# Altium PCB Proto_Lolek.PcbDoc (part 1 of 2)
Units mm, origin at the board's own origin, x right, y up, seen from the top; angles counter-clockwise.
Board outline 80 x 80 mm, 4 copper layers (Top Layer, Int1 (GND), Int2 (PWR), Bottom Layer), stack 1.57 mm thick; 128 components, 73 nets, 456 pads, 404 vias.
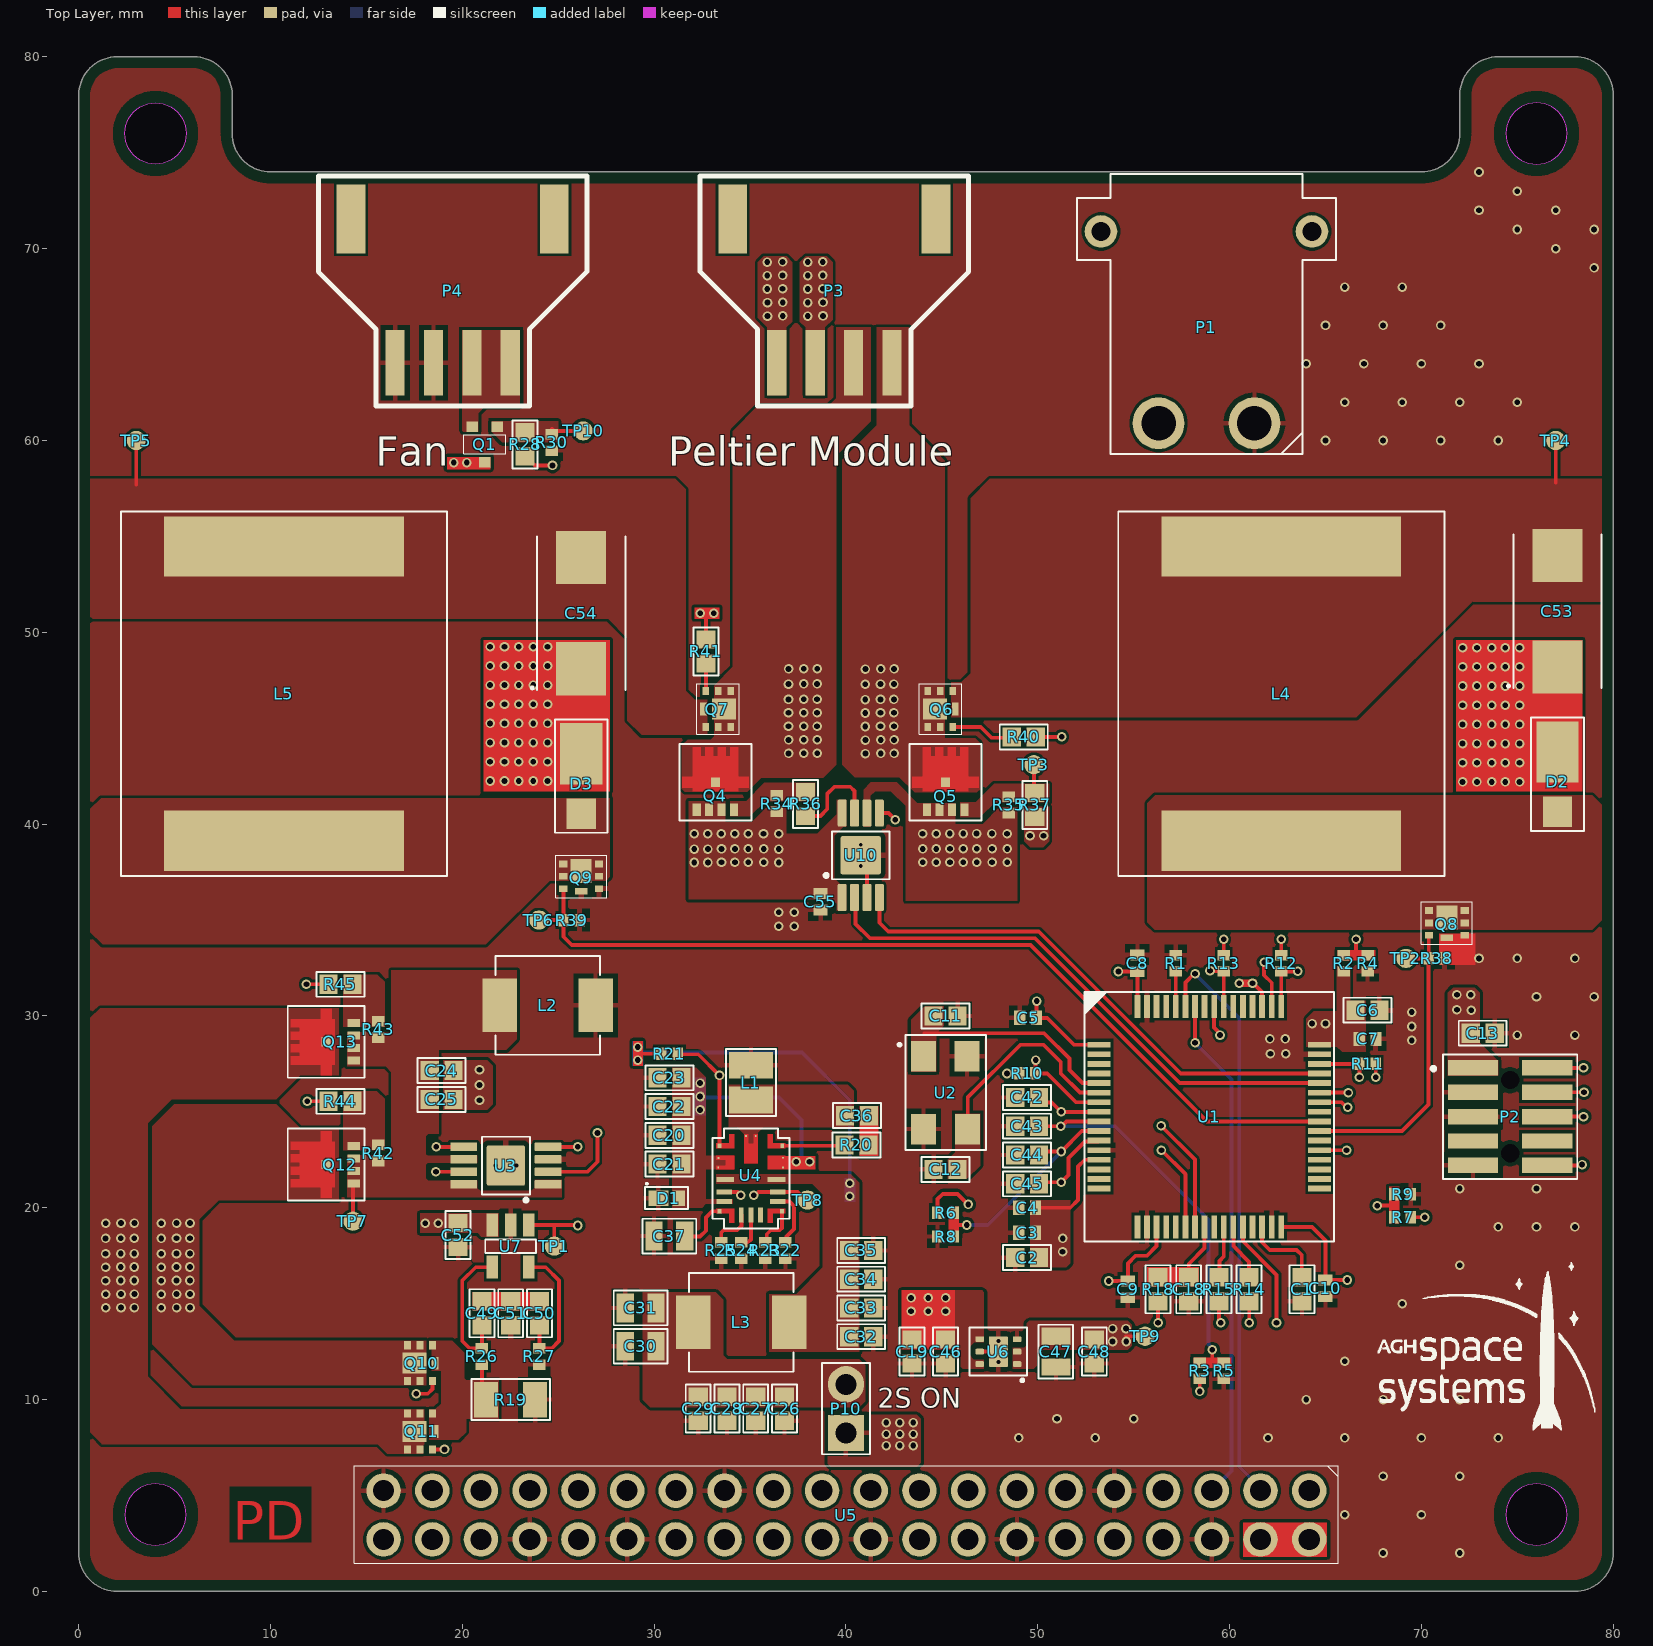
[diagram p0: Top Layer view]
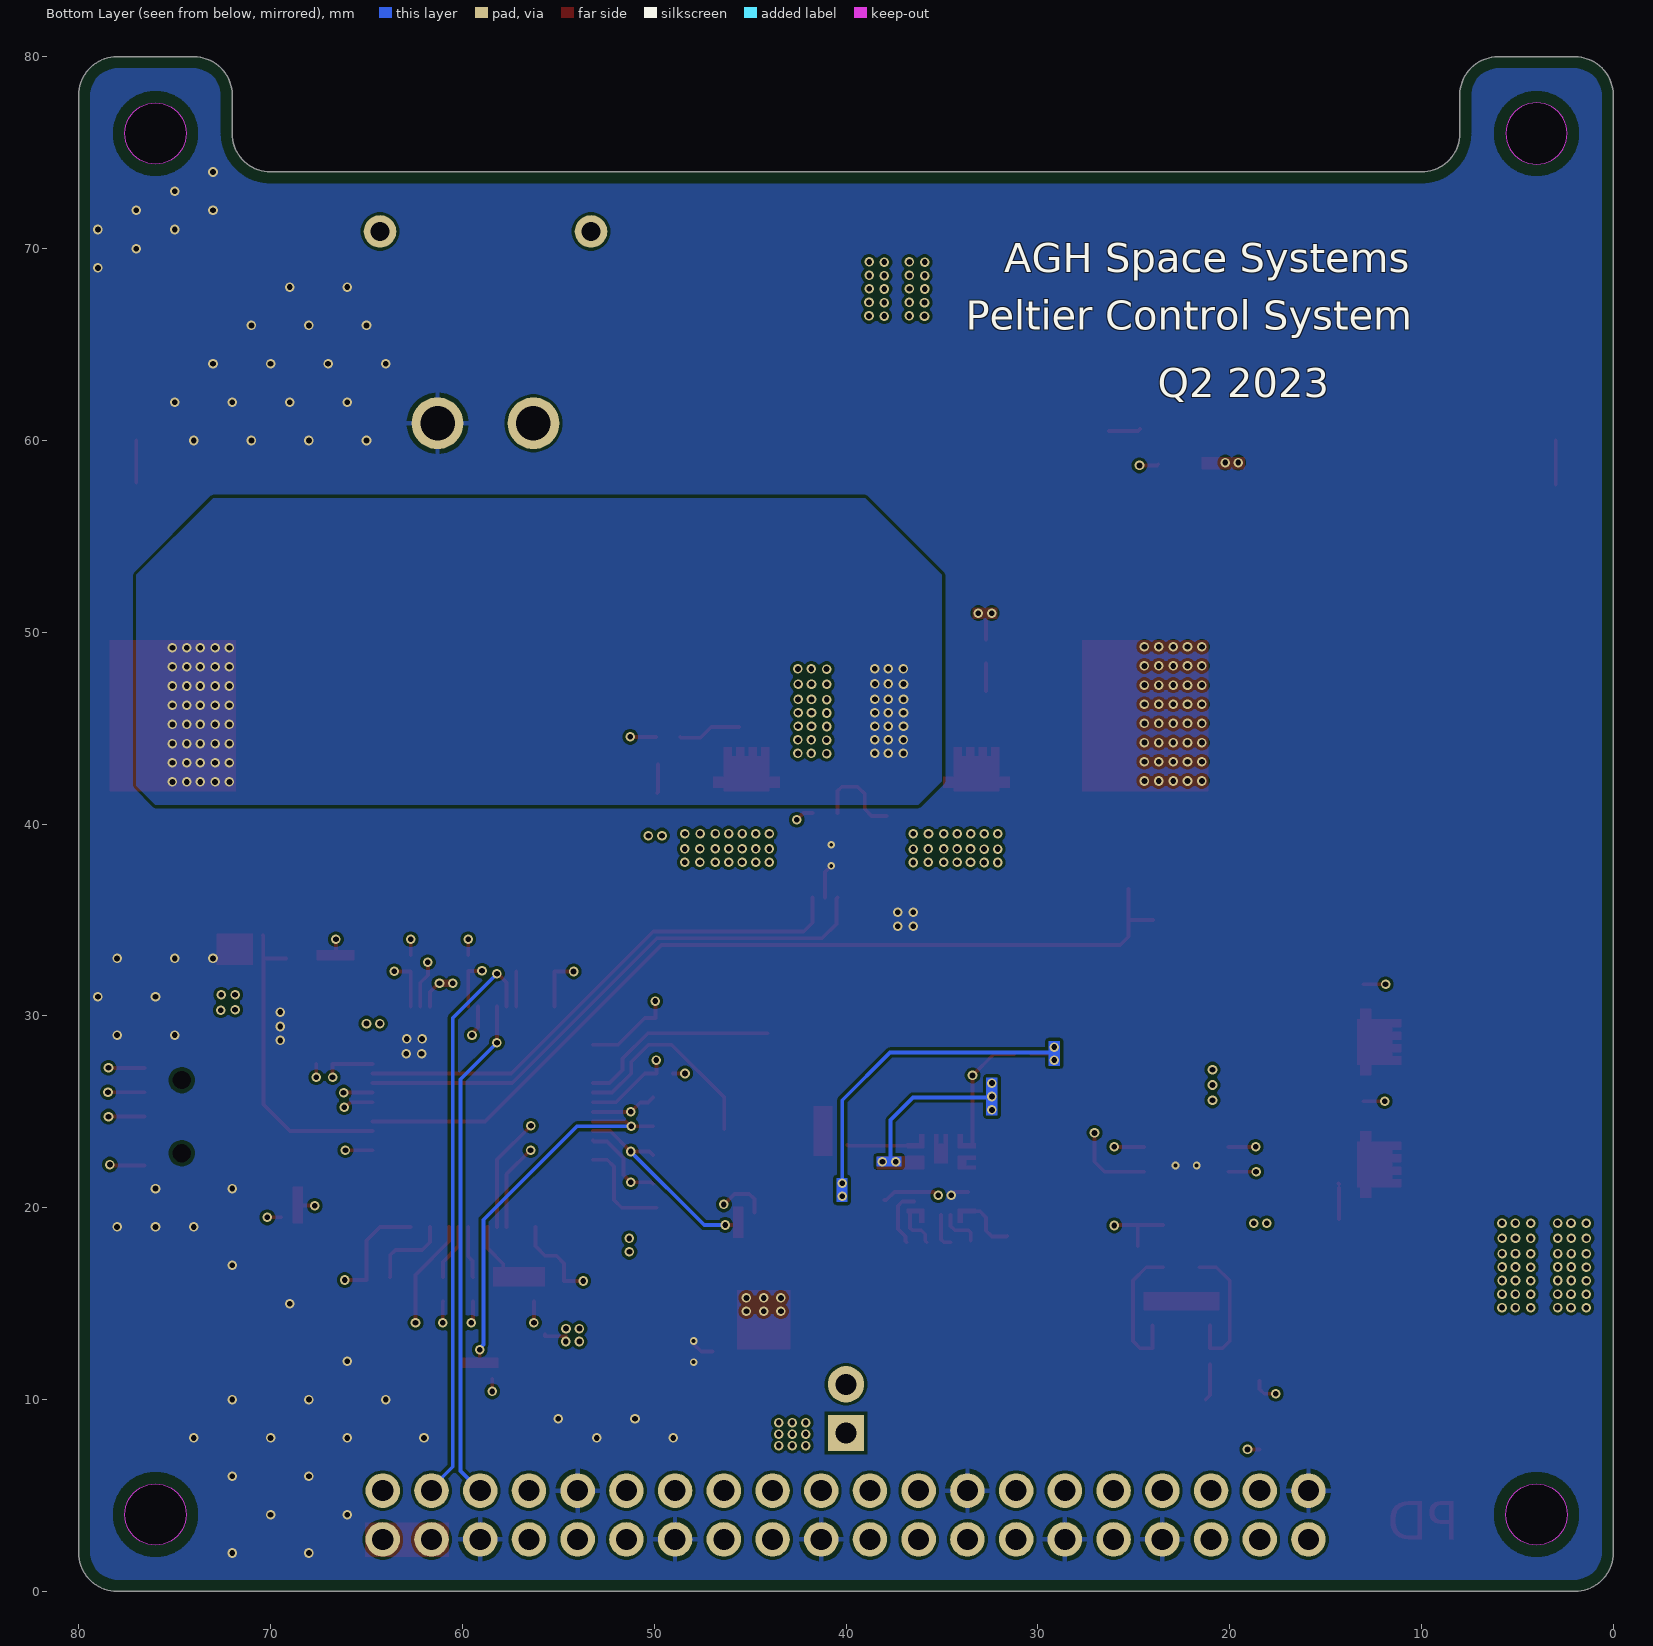
[diagram p1: Bottom Layer view, seen from below]
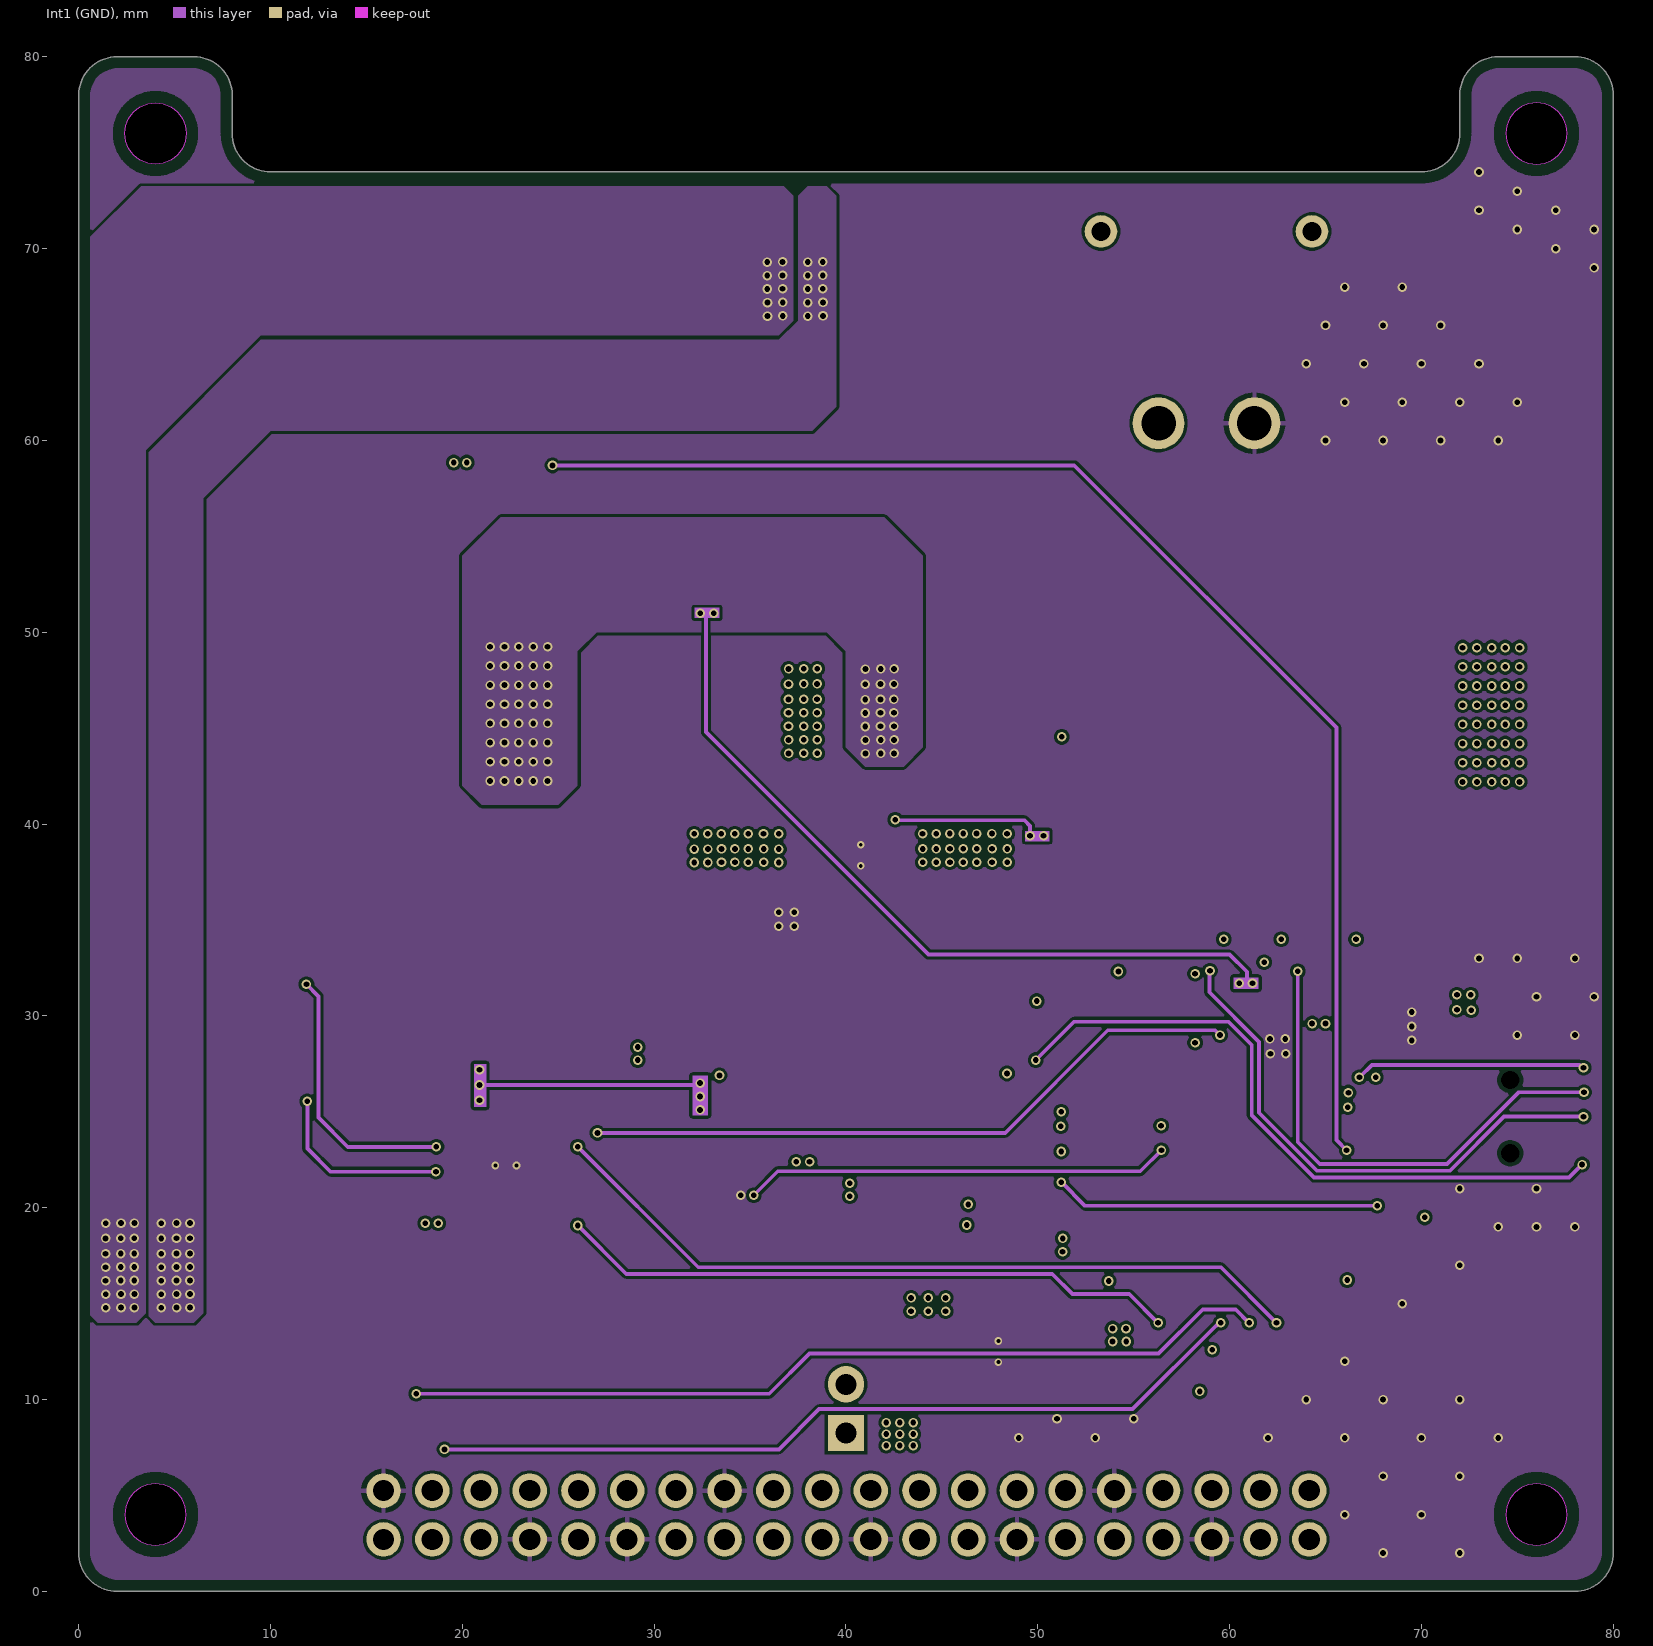
[diagram p2: Int1 (GND)]
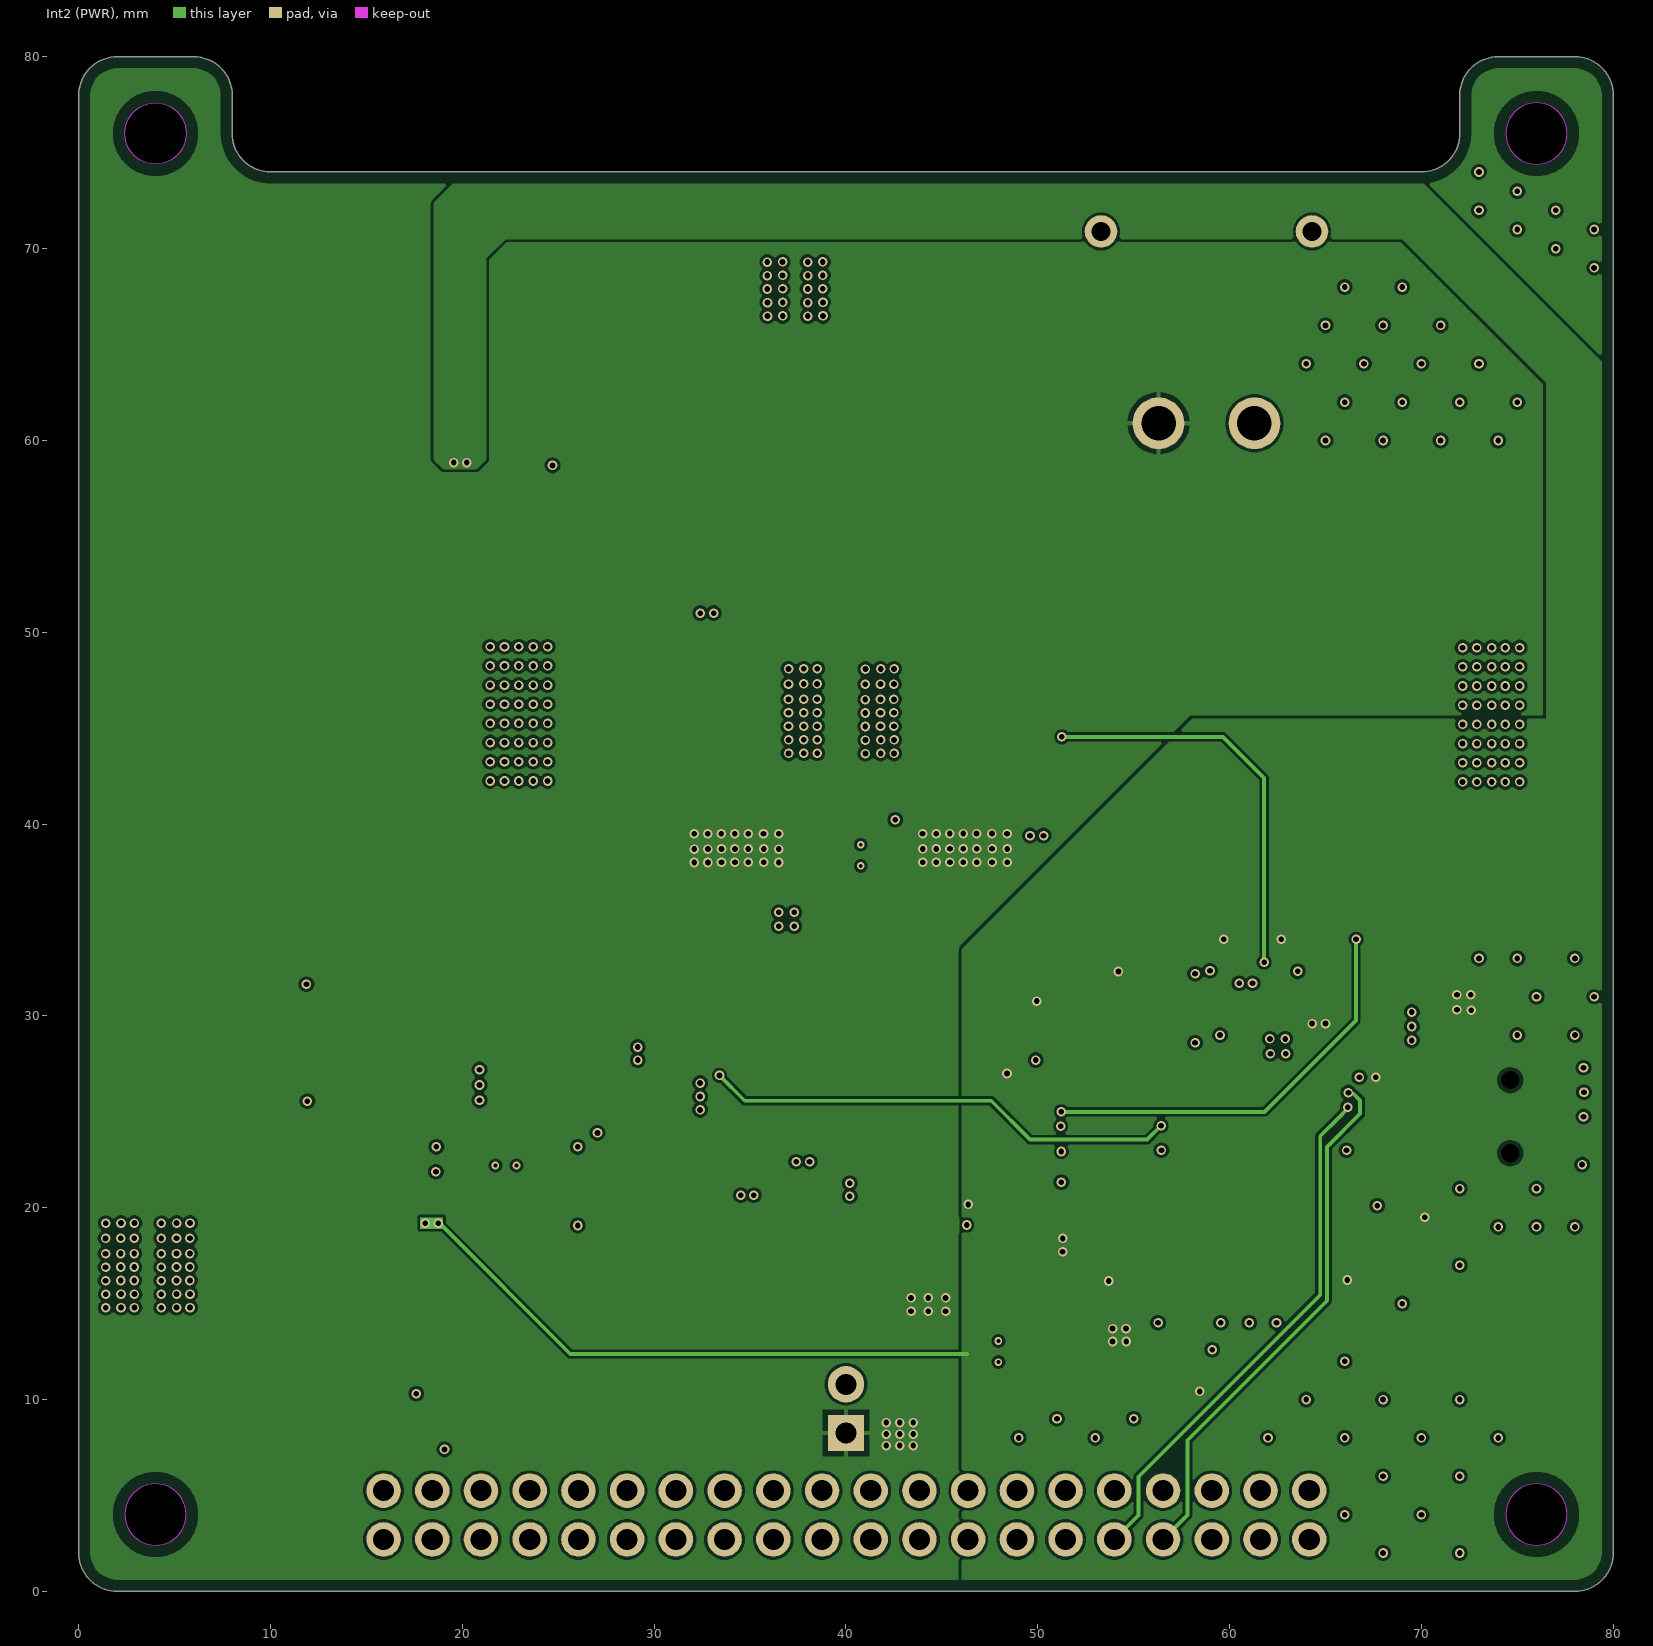
[diagram p3: Int2 (PWR)]
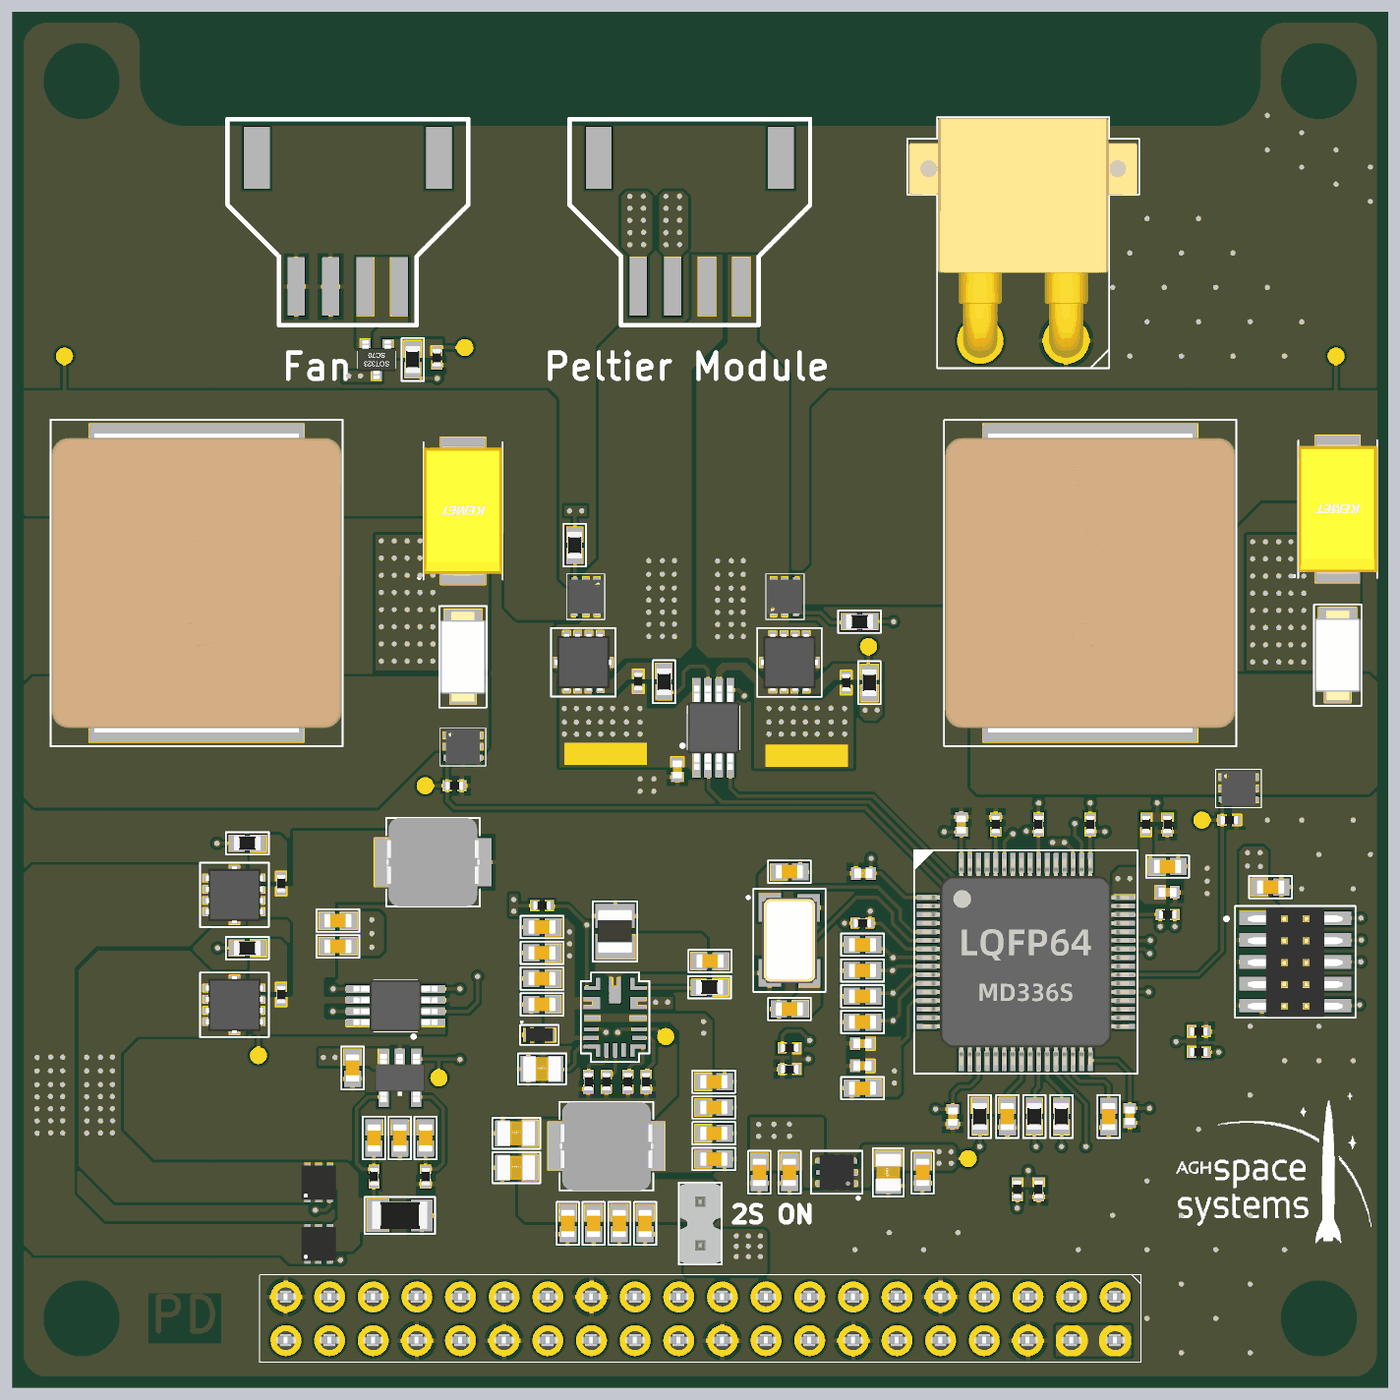
[diagram p5: 3D render of the assembled board from above, using the file's embedded part models]

## Layer stack, top to bottom
Top Solder: solder mask 0.0254, SM-001, Dk 4
Top Layer: signal copper 0.035
Dielectric 2: prepreg 0.2, PP-017, Dk 4.6
Int1 (GND): signal copper 0.0175
Dielectric 3: core 1.065, Core-039, Dk 4.8
Int2 (PWR): signal copper 0.0175
Dielectric 4: prepreg 0.2, PP-017, Dk 4.6
Bottom Layer: signal copper 0.035
Bottom Solder: solder mask 0.0254, SM-001, Dk 4

## Board outline
0,2.006 ccw(c2,2.006) 2,0.006 78,0.006 ccw(c78,2.006) 80,2.006 80,78.006 ccw(c78,78.006) 78,80.006 74,80.006 ccw(c74,78.006) 72,78.006 72,76.006 cw(c70,76.006) 70,74.006 10,74.006 cw(c10,76.006) 8,76.006 8,78.006 ccw(c6,78.006) 6,80.006 2,80.006 ccw(c2,78.006) 0,78.006
cut-out: 2.4,4.006 ccw(c4,4.006) 4,2.406 ccw(c4,4.006) 5.6,4.006 ccw(c4,4.006) 4,5.606 ccw(c4,4.006)
cut-out: 74.4,4.006 ccw(c76,4.006) 76,2.406 ccw(c76,4.006) 77.6,4.006 ccw(c76,4.006) 76,5.606 ccw(c76,4.006)
cut-out: 74.4,76.006 ccw(c76,76.006) 76,74.406 ccw(c76,76.006) 77.6,76.006 ccw(c76,76.006) 76,77.606 ccw(c76,76.006)
cut-out: 4,74.406 cw(c4,76.006) 2.4,76.006 cw(c4,76.006) 4,77.606 cw(c4,76.006) 5.6,76.006 cw(c4,76.006)
